# KiCad board paws-60-pcb.kicad_pcb
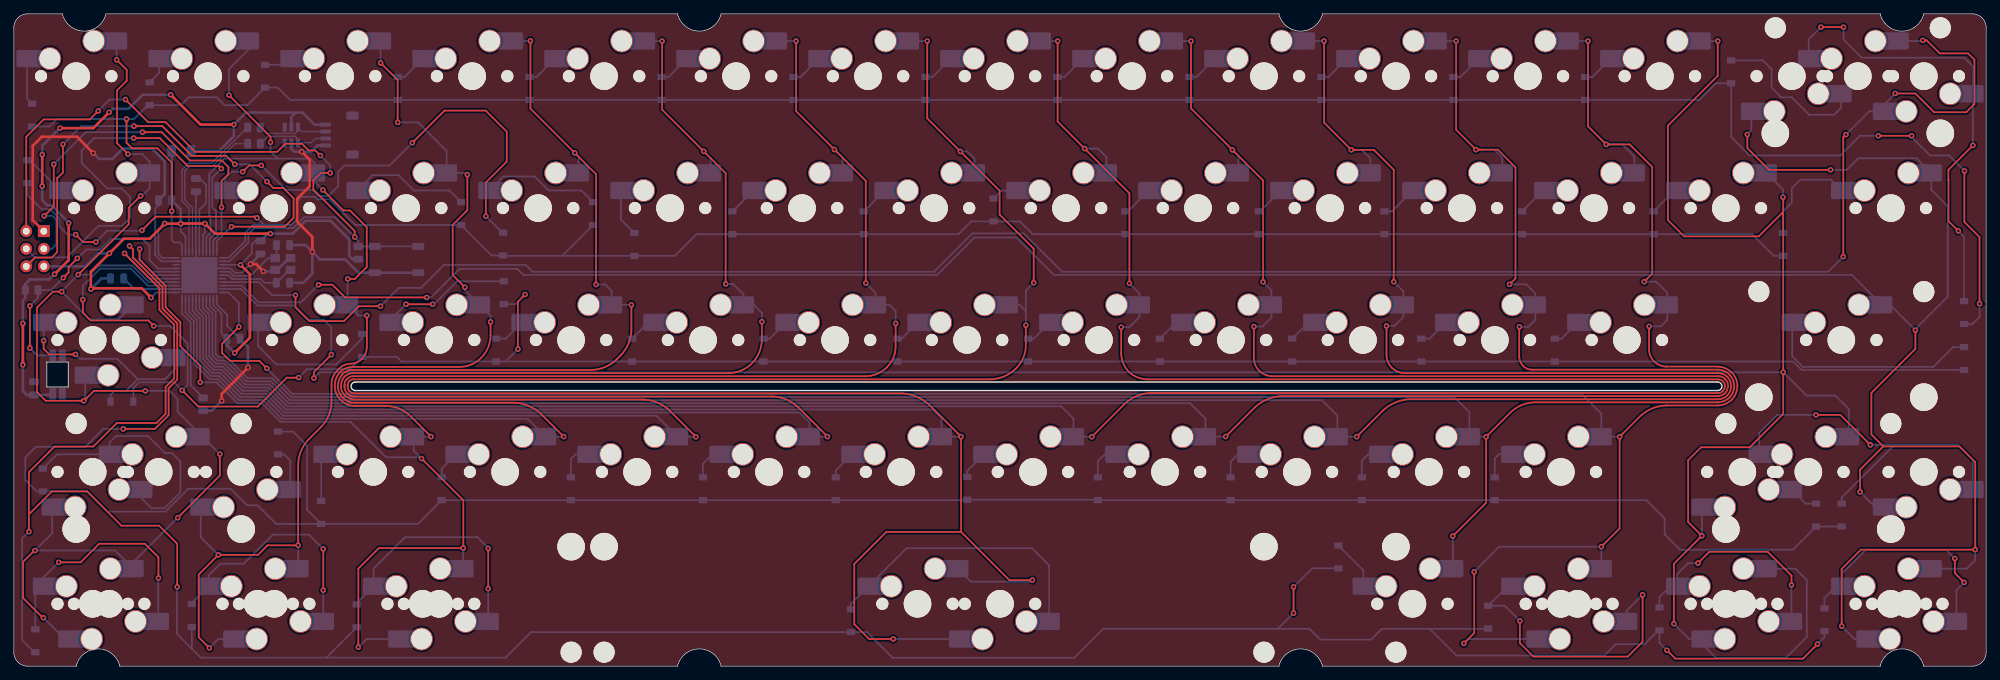
[diagram p0: board, top side]
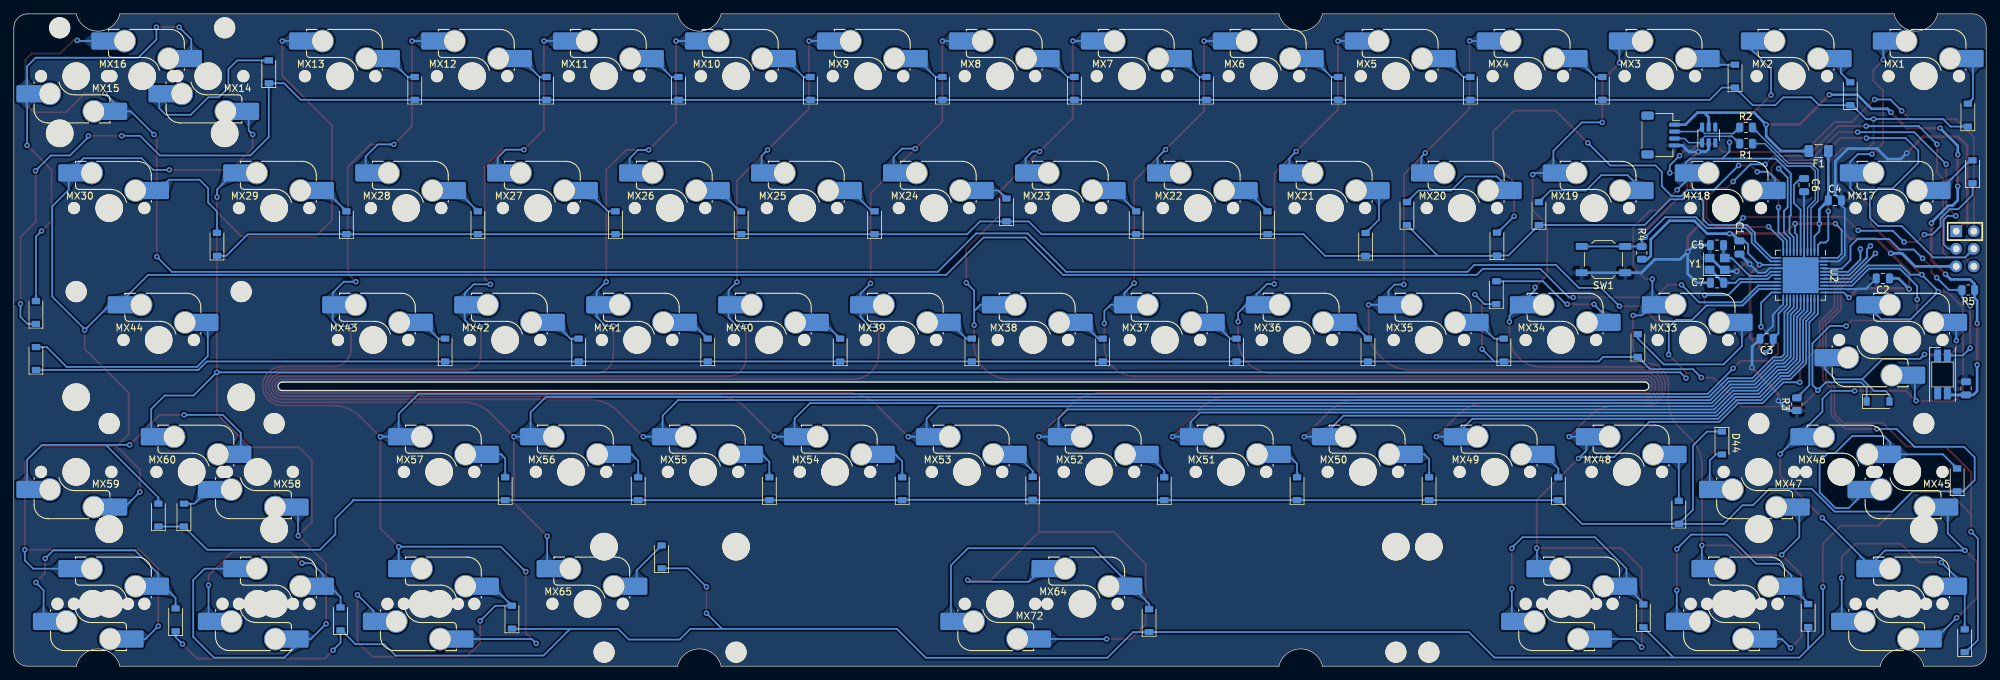
[diagram p1: board, bottom side, seen from below]

Outline 284.7 x 94.2 mm; copper layers: Top, Bottom. Coordinates in mm from the lower left corner of the outline.
Outline path: 0,92.2 arc(0.59,93.61) 2,94.2 7,94.2 arc(10.15,91.7) 13.3,94.2 95.8,94.2 arc(98.95,91.7) 102.1,94.2 182.6,94.2 arc(185.75,91.7) 188.9,94.2 269.4,94.2 arc(272.55,91.7) 275.7,94.2 282.7,94.2 arc(284.11,93.61) 284.7,92.2 284.7,2 arc(284.11,0.59) 282.7,0 275.7,0 arc(272.55,2.5) 269.4,0 188.9,0 arc(185.75,2.5) 182.6,0 102.1,0 arc(98.95,2.5) 95.8,0 15.3,0 arc(12.15,2.5) 9,0 2,0 arc(0.59,0.59) 0,2 0,92.2 ; 49.26,39.8 arc(48.68,40.42) 49.26,41.03 245.9,41.03 arc(246.56,40.44) 245.95,39.8 49.26,39.8

## Placement (name value [footprint] x y rotation side)
C1  0.1u  [C_0805_2012Metric]  35.61 60.46 270 bottom
C2  0.1u  [C_0805_2012Metric]  14.91 55.99 0 bottom
C3  0.1u  [C_0805_2012Metric]  31.7 47.27 0 bottom
C4  10u  [C_0805_2012Metric]  21.83 67.27 180 bottom
C5  22p  [C_0805_2012Metric]  38.86 60.8 180 bottom
C6  1u  [C_0805_2012Metric]  26.29 69.47 270 bottom
C7  22p  [C_0805_2012Metric]  38.84 55.37 180 bottom
C8  100n  [C_0805_2012Metric]  2.9 40.12 90 bottom
D1  1N4148  [D_SOD-123]  2.64 79.57 90 bottom
D2  1N4148  [D_SOD-123]  19.61 82.66 90 bottom
D3  1N4148  [D_SOD-123]  36.25 85.21 90 bottom
D4  1N4148  [D_SOD-123]  55.4 83.43 90 bottom
D5  1N4148  [D_SOD-123]  74.45 83.43 90 bottom
D6  1N4148  [D_SOD-123]  93.5 83.43 90 bottom
D7  1N4148  [D_SOD-123]  112.55 83.43 90 bottom
D8  1N4148  [D_SOD-123]  131.6 83.43 90 bottom
D9  1N4148  [D_SOD-123]  150.65 83.43 90 bottom
D10  1N4148  [D_SOD-123]  169.7 83.43 90 bottom
D11  1N4148  [D_SOD-123]  188.75 83.43 90 bottom
D12  1N4148  [D_SOD-123]  207.8 83.43 90 bottom
D13  1N4148  [D_SOD-123]  226.83 83.43 90 bottom
D14  1N4148  [D_SOD-123]  247.9 85.83 90 bottom
D15  1N4148  [D_SOD-123]  281.52 51.07 90 bottom
D16  1N4148  [D_SOD-123]  1.97 71.4 90 bottom
D17  1N4148  [D_SOD-123]  70.61 60.96 90 bottom
D18  1N4148  [D_SOD-123]  64.56 65.36 90 bottom
D19  1N4148  [D_SOD-123]  83.61 65.36 90 bottom
D20  1N4148  [D_SOD-123]  89.57 60.9 90 bottom
D21  1N4148  [D_SOD-123]  103.73 64.03 90 bottom
D22  1N4148  [D_SOD-123]  122.7 64.03 90 bottom
D23  1N4148  [D_SOD-123]  141.42 65.88 90 bottom
D24  1N4148  [D_SOD-123]  160.45 64.03 90 bottom
D25  1N4148  [D_SOD-123]  179.71 64.03 90 bottom
D26  1N4148  [D_SOD-123]  197.86 64.03 90 bottom
D27  1N4148  [D_SOD-123]  217.71 64.03 90 bottom
D28  1N4148  [D_SOD-123]  236.7 64.03 90 bottom
D29  1N4148  [D_SOD-123]  255.38 60.91 90 bottom
D30  1N4148  [D_SOD-123]  15.6 38.22 180 bottom
D31  1N4148  [D_SOD-123]  50.27 46.31 90 bottom
D32  1N4148  [D_SOD-123]  70.71 53.93 90 bottom
D33  1N4148  [D_SOD-123]  69.61 45.65 90 bottom
D34  1N4148  [D_SOD-123]  89.23 45.65 90 bottom
D35  1N4148  [D_SOD-123]  108.2 45.65 90 bottom
D36  1N4148  [D_SOD-123]  127.53 45.65 90 bottom
D37  1N4148  [D_SOD-123]  146.41 45.65 90 bottom
D38  1N4148  [D_SOD-123]  165.42 45.65 90 bottom
D39  1N4148  [D_SOD-123]  184.54 45.65 90 bottom
D40  1N4148  [D_SOD-123]  203.16 45.65 90 bottom
D41  1N4148  [D_SOD-123]  222.44 45.65 90 bottom
D42  1N4148  [D_SOD-123]  281.52 44.42 90 bottom
D43  1N4148  [D_SOD-123]  4.19 26.89 90 bottom
D44  1N4148  [D_SOD-123]  38.13 32.22 270 bottom
D45  1N4148  [D_SOD-123]  44.36 22.2 90 bottom
D46  1N4148  [D_SOD-123]  61.75 25.62 90 bottom
D47  1N4148  [D_SOD-123]  80.41 25.62 90 bottom
D48  1N4148  [D_SOD-123]  99.46 25.62 90 bottom
D49  1N4148  [D_SOD-123]  118.64 25.62 90 bottom
D50  1N4148  [D_SOD-123]  137.62 25.69 90 bottom
D51  1N4148  [D_SOD-123]  156.47 25.62 90 bottom
D52  1N4148  [D_SOD-123]  175.64 25.62 90 bottom
D53  1N4148  [D_SOD-123]  194.57 25.62 90 bottom
D54  1N4148  [D_SOD-123]  213.77 25.62 90 bottom
D55  1N4148  [D_SOD-123]  260.15 21.81 90 bottom
D56  1N4148  [D_SOD-123]  263.84 21.81 90 bottom
D57  1N4148  [D_SOD-123]  3.09 3.66 90 bottom
D58  1N4148  [D_SOD-123]  25.69 7.31 90 bottom
D59  1N4148  [D_SOD-123]  49.49 7.27 90 bottom
D60  1N4148  [D_SOD-123]  120.83 6.57 90 bottom
D61  1N4148  [D_SOD-123]  191.2 15.78 90 bottom
D62  1N4148  [D_SOD-123]  212.8 7.07 90 bottom
D63  1N4148  [D_SOD-123]  237.54 6.83 90 bottom
D64  1N4148  [D_SOD-123]  261.35 6.69 90 bottom
F1  500mA  [Fuse_1206_3216Metric]  24.18 74.39 0 bottom
J1  JST SH 4-pin  [JST_SH_SM04B-SRSS-TB_1x04-1MP_P1.00mm_Horizontal]  47 76.7 270 bottom
J2  AVR-ISP-6  [Reset_Pretty]  3.05 60.27 0 bottom
LED1  SK6812Mini-e  [YS-SK6812MINI-E]  6.3 42.12 270 bottom
MX1  1u  [SW_MX_HS_1u]  9 85.2 180 bottom
MX2  1u  [SW_MX_HS_1u]  28.05 85.2 180 bottom
MX3  1u  [SW_MX_HS_1u]  47.1 85.2 180 bottom
MX4  1u  [SW_MX_HS_1u]  66.15 85.2 180 bottom
MX5  1u  [SW_MX_HS_1u]  85.2 85.2 180 bottom
MX6  1u  [SW_MX_HS_1u]  104.25 85.2 180 bottom
MX7  1u  [SW_MX_HS_1u]  123.3 85.2 180 bottom
MX8  1u  [SW_MX_HS_1u]  142.35 85.2 180 bottom
MX9  1u  [SW_MX_HS_1u]  161.4 85.2 180 bottom
MX10  1u  [SW_MX_HS_1u]  180.45 85.2 180 bottom
MX11  1u  [SW_MX_HS_1u]  199.5 85.2 180 bottom
MX12  1u  [SW_MX_HS_1u]  218.55 85.2 180 bottom
MX13  1u  [SW_MX_HS_1u]  237.6 85.2 180 bottom
MX14  1u  [SW_MX_HS_1u]  256.65 85.2 0 bottom
MX15  1u  [SW_MX_HS_1u]  275.7 85.2 0 bottom
MX16  2u  [SW_MX_HS_1u]  266.18 85.2 180 bottom
MX17  1.5u  [SW_MX_HS_1.5u]  13.76 66.15 180 bottom
MX18  1u  [SW_MX_HS_1u]  37.58 66.15 180 bottom
MX19  1u  [SW_MX_HS_1u]  56.62 66.15 180 bottom
MX20  1u  [SW_MX_HS_1u]  75.67 66.15 180 bottom
MX21  1u  [SW_MX_HS_1u]  94.72 66.15 180 bottom
MX22  1u  [SW_MX_HS_1u]  113.78 66.15 180 bottom
MX23  1u  [SW_MX_HS_1u]  132.82 66.15 180 bottom
MX24  1u  [SW_MX_HS_1u]  151.88 66.15 180 bottom
MX25  1u  [SW_MX_HS_1u]  170.93 66.15 180 bottom
MX26  1u  [SW_MX_HS_1u]  189.97 66.15 180 bottom
MX27  1u  [SW_MX_HS_1u]  209.03 66.15 180 bottom
MX28  1u  [SW_MX_HS_1u]  228.07 66.15 180 bottom
MX29  1u  [SW_MX_HS_1u]  247.12 66.15 180 bottom
MX30  1.5u  [SW_MX_HS_1.5u]  270.94 66.15 180 bottom
MX31  1.25u  [SW_MX_HS_1.25u]  11.38 47.1 180 bottom
MX32  1.75u  [SW_MX_HS_1.75u]  16.14 47.1 0 bottom
MX33  1u  [SW_MX_HS_1u]  42.34 47.1 180 bottom
MX34  1u  [SW_MX_HS_1u]  61.39 47.1 180 bottom
MX35  1u  [SW_MX_HS_1u]  80.44 47.1 180 bottom
MX36  1u  [SW_MX_HS_1u]  99.49 47.1 180 bottom
MX37  1u  [SW_MX_HS_1u]  118.54 47.1 180 bottom
MX38  1u  [SW_MX_HS_1u]  137.59 47.1 180 bottom
MX39  1u  [SW_MX_HS_1u]  156.64 47.1 180 bottom
MX40  1u  [SW_MX_HS_1u]  175.69 47.1 180 bottom
MX41  1u  [SW_MX_HS_1u]  194.74 47.1 180 bottom
MX42  1u  [SW_MX_HS_1u]  213.79 47.1 180 bottom
MX43  1u  [SW_MX_HS_1u]  232.84 47.1 180 bottom
MX44  2.25u  [SW_MX_HS_1u]  263.79 47.1 180 bottom
MX45  1.25u  [SW_MX_HS_1.25u]  11.38 28.05 0 bottom
MX46  2.25u  [SW_MX_HS_1u]  20.91 28.05 180 bottom
MX47  1u  [SW_MX_HS_1u]  32.81 28.05 0 bottom
MX48  1u  [SW_MX_HS_1u]  51.86 28.05 180 bottom
MX49  1u  [SW_MX_HS_1u]  70.91 28.05 180 bottom
MX50  1u  [SW_MX_HS_1u]  89.96 28.05 180 bottom
MX51  1u  [SW_MX_HS_1u]  109.01 28.05 180 bottom
MX52  1u  [SW_MX_HS_1u]  128.06 28.05 180 bottom
MX53  1u  [SW_MX_HS_1u]  147.11 28.05 180 bottom
MX54  1u  [SW_MX_HS_1u]  166.16 28.05 180 bottom
MX55  1u  [SW_MX_HS_1u]  185.21 28.05 180 bottom
MX56  1u  [SW_MX_HS_1u]  204.26 28.05 180 bottom
MX57  1u  [SW_MX_HS_1u]  223.31 28.05 180 bottom
MX58  1.75u  [SW_MX_HS_1.75u]  249.51 28.05 0 bottom
MX59  1u  [SW_MX_HS_1u]  275.7 28.05 0 bottom
MX60  2.75u  [SW_MX_HS_1u]  259.03 28.05 180 bottom
MX61  1.25u  [SW_MX_HS_1.25u]  11.38 9 180 bottom
MX62  1.25u  [SW_MX_HS_1.25u]  35.19 9 180 bottom
MX63  1.25u  [SW_MX_HS_1.25u]  59.01 9 180 bottom
MX64  6.25u  [SW_MX_HS_1u]  130.44 9 180 bottom
MX65  1.25u  [SW_MX_HS_1.25u]  201.88 9 180 bottom
MX66  1.25u  [SW_MX_HS_1.25u]  225.69 9 0 bottom
MX67  1.25u  [SW_MX_HS_1.25u]  249.51 9 0 bottom
MX68  1.25u  [SW_MX_HS_1.25u]  273.32 9 0 bottom
MX69  1.5u  [SW_MX_HS_1.5u]  13.76 9 0 bottom
MX70  1u  [SW_MX_HS_1u]  37.58 9 0 bottom
MX71  1.5u  [SW_MX_HS_1.5u]  61.39 9 0 bottom
MX72  7u  [SW_MX_HS_1u]  142.35 9 0 bottom
MX73  1.5u  [SW_MX_HS_1.5u]  223.31 9 180 bottom
MX74  1u  [SW_MX_HS_1u]  247.12 9 180 bottom
MX75  1.5u  [SW_MX_HS_1.5u]  270.94 9 180 bottom
R1  22  [R_0805_2012Metric]  34.66 75.45 0 bottom
R2  22  [R_0805_2012Metric]  34.66 77.79 0 bottom
R3  10k  [R_0805_2012Metric]  27.32 37.83 90 bottom
R4  10k  [R_0805_2012Metric]  49.71 59.68 270 bottom
R5  10k  [R_0805_2012Metric]  2.57 54.32 0 bottom
S1  2u  [STAB_MX_2u]  266.18 85.2 0 top
S2  2.25u  [STAB_MX_2.25u]  263.79 47.1 0 top
S3  2.25u  [STAB_MX_2.25u]  20.91 28.05 0 top
S4  2.75u  [STAB_MX_2.75u]  259.03 28.05 0 top
S5  6.25u  [STAB_MX_6.25u]  130.44 9 0 bottom
S6  7u  [STAB_MX_7u]  142.35 9 0 bottom
SW1  Reset  [SW_SPST_TL3342]  55.24 58.72 0 bottom
U1  SRV05-4  [SOT-23-6]  40.05 76.71 90 bottom
U2  ATmega32U4-MU  [QFN-44-1EP_7x7mm_P0.5mm_EP5.2x5.2mm]  26.78 56.46 270 bottom
Y1  16MHz  [Crystal_SMD_3225-4Pin_3.2x2.5mm]  38.83 58.08 180 bottom

## Library data of the parts
C1-C3 = -: LCSC Part #: C49678
C4 = -: LCSC Part #: C15850
C5 C7 C8 = -: LCSC Part #: C1804
C6 = -: LCSC Part #: C28323
D1-D64 = -: LCSC Part #: C81598
F1 = -: LCSC Part #: C70076
J1 = -: LCSC Part #: C160404
J2 = -: Field4: SCK; Field5: RST; Field6: VCC; Field7: MOSI; Field8: MISO; Field9: GND
R1 R2 = -: LCSC Part #: C17561
R3-R5 = -: LCSC Part #: C17414
S1-S6 = -: Description: Cherry MX-style stabilizer
SW1 = -: LCSC Part #: C318884
U1 = -: LCSC Part #: C85364
U2 = -: Description: 16MHz, 32kB Flash, 2.5kB SRAM, 1kB EEPROM, USB 2.0, QFN-44; LCSC Part #: C44854
Y1 = -: LCSC Part #: C13738

## Footprints (pads in the part's own frame, mm; a bottom-side part is the same pattern mirrored in y, then rotated)
C_0805_2012Metric
  rrect 1x1.45 smd: 1(-0.95,0) 2(0.95,0)
Crystal_SMD_3225-4Pin_3.2x2.5mm
  rect 1.4x1.2 smd: 1(-1.1,-0.85) 2(1.1,-0.85) 3(1.1,0.85) 4(-1.1,0.85)
D_SOD-123
  rect 0.9x1.2 smd: 1(-1.65,0) 2(1.65,0)
Fuse_1206_3216Metric
  rrect 1.25x1.75 smd: 1(-1.4,0) 2(1.4,0)
JST_SH_SM04B-SRSS-TB_1x04-1MP_P1.00mm_Horizontal
  rrect 0.6x1.55 smd: 1(-1.5,2) 2(-0.5,2) 3(0.5,2) 4(1.5,2)
  rrect 1.2x1.8 smd: MP(-2.8,-1.875) MP(2.8,-1.875)
QFN-44-1EP_7x7mm_P0.5mm_EP5.2x5.2mm
  rrect 1.05x1.05 smd: (-1.95,-1.95) (-1.95,-0.65) (-1.95,0.65) (-1.95,1.95) (-0.65,-1.95) (-0.65,-0.65) (-0.65,0.65) (-0.65,1.95) (0.65,-1.95) (0.65,-0.65) (0.65,0.65) (0.65,1.95) (1.95,-1.95) (1.95,-0.65) (1.95,0.65) (1.95,1.95)
  rrect 1.075x0.25 smd: 1(-3.337,2.5) 2(-3.337,2) 3(-3.337,1.5) 4(-3.337,1) 5(-3.337,0.5) 6(-3.337,0) 7(-3.337,-0.5) 8(-3.337,-1) 9(-3.337,-1.5) 10(-3.337,-2) 11(-3.337,-2.5) 23(3.337,-2.5) 24(3.337,-2) 25(3.337,-1.5) 26(3.337,-1) 27(3.337,-0.5) 28(3.337,0) 29(3.337,0.5) 30(3.337,1) 31(3.337,1.5) 32(3.337,2) 33(3.337,2.5)
  rrect 0.25x1.075 smd: 12(-2.5,-3.337) 13(-2,-3.337) 14(-1.5,-3.337) 15(-1,-3.337) 16(-0.5,-3.337) 17(0,-3.337) 18(0.5,-3.337) 19(1,-3.337) 20(1.5,-3.337) 21(2,-3.337) 22(2.5,-3.337) 34(2.5,3.337) 35(2,3.337) 36(1.5,3.337) 37(1,3.337) 38(0.5,3.337) 39(0,3.337) 40(-0.5,3.337) 41(-1,3.337) 42(-1.5,3.337) 43(-2,3.337) 44(-2.5,3.337)
  rect 5.2x5.2 smd: 45(0,0)
R_0805_2012Metric
  rrect 1.025x1.4 smd: 1(-0.912,0) 2(0.912,0)
Reset_Pretty
  round 1.7 hole 1: 1(-1.27,2.54) 2(1.27,2.54) 3(-1.27,0) 4(1.27,0) 5(-1.27,-2.54)
  rect 1.7x1.7 hole 1: 6(1.27,-2.54)
SOT-23-6
  rrect 1.325x0.6 smd: 1(-1.137,0.95) 2(-1.137,0) 3(-1.137,-0.95) 4(1.137,-0.95) 5(1.137,0) 6(1.137,0.95)
STAB_MX_2.25u
  round 3.048 hole 3.048 unplated: (-11.906,6.985) (11.906,6.985)
  round 3.988 hole 3.988 unplated: (-11.906,-8.255) (11.906,-8.255)
STAB_MX_2.75u
  round 3.048 hole 3.048 unplated: (-11.906,6.985) (11.906,6.985)
  round 3.988 hole 3.988 unplated: (-11.906,-8.255) (11.906,-8.255)
STAB_MX_2u
  round 3.048 hole 3.048 unplated: (-11.906,6.985) (11.906,6.985)
  round 3.988 hole 3.988 unplated: (-11.906,-8.255) (11.906,-8.255)
STAB_MX_6.25u
  round 3.988 hole 3.988 unplated: (-50.006,-8.255) (50.006,-8.255)
  round 3.048 hole 3.048 unplated: (-50.006,6.985) (50.006,6.985)
STAB_MX_7u
  round 3.988 hole 3.988 unplated: (-57.15,-8.255) (57.15,-8.255)
  round 3.048 hole 3.048 unplated: (-57.15,6.985) (57.15,6.985)
SW_MX_HS_1.5u
  round 1.75 hole 1.75 unplated: (-5.08,0) (5.08,0)
  round 3.988 hole 3.988 unplated: (0,0)
  round 3.3 hole 3: 1(3.81,2.54) 2(-2.54,5.08)
  rect 1.65x2.5 smd: 1(5.635,2.54) 2(-4.34,5.08)
  rrect 2.55x2.5 smd: 1(7.36,2.54) 2(-6.09,5.08)
SW_MX_HS_1.25u
  round 1.75 hole 1.75 unplated: (-5.08,0) (5.08,0)
  round 3.988 hole 3.988 unplated: (0,0)
  round 3.3 hole 3: 1(3.81,2.54) 2(-2.54,5.08)
  rect 1.65x2.5 smd: 1(5.635,2.54) 2(-4.34,5.08)
  rrect 2.55x2.5 smd: 1(7.36,2.54) 2(-6.09,5.08)
SW_MX_HS_1.75u
  round 1.75 hole 1.75 unplated: (-5.08,0) (5.08,0)
  round 3.988 hole 3.988 unplated: (0,0)
  round 3.3 hole 3: 1(3.81,2.54) 2(-2.54,5.08)
  rect 1.65x2.5 smd: 1(5.635,2.54) 2(-4.34,5.08)
  rrect 2.55x2.5 smd: 1(7.36,2.54) 2(-6.09,5.08)
SW_MX_HS_1u
  round 1.75 hole 1.75 unplated: (-5.08,0) (5.08,0)
  round 3.988 hole 3.988 unplated: (0,0)
  round 3.3 hole 3: 1(3.81,2.54) 2(-2.54,5.08)
  rect 1.65x2.5 smd: 1(5.635,2.54) 2(-4.34,5.08)
  rrect 2.55x2.5 smd: 1(7.36,2.54) 2(-6.09,5.08)
SW_SPST_TL3342
  rect 1.7x1 smd: 1(-3.15,1.9) 1(3.15,1.9) 2(-3.15,-1.9) 2(3.15,-1.9)
YS-SK6812MINI-E
  rect 1.7x1 smd: 1(2.75,0.7) 2(2.75,-0.7) 3(-2.75,-0.7) 4(-2.75,0.7)

## Nets
+5V: C1.1 C2.1 C3.1 C4.1 F1.1 J2.2 R4.2 U2.2 U2.7 U2.14 U2.24 U2.34 U2.44
GND: C1.2 C2.2 C3.2 C4.2 C5.1 C6.2 C7.1 C8.2 J1.4 J2.6 LED1.3 R3.1 SW1.1 U1.2 U2.5 U2.15 U2.23 U2.35 U2.43 U2.45 Y1.2 Y1.4
VBUS: C8.1 F1.2 J1.1 LED1.1 R5.1 U1.5
/MCU_D+: R1.1 U2.4
/MCU_D-: R2.1 U2.3
COL0: MX1.2 MX17.2 MX31.2 MX32.2 MX45.2 MX46.2 MX61.2 MX69.2 U2.37
COL1: MX2.2 MX18.2 MX33.2 MX47.2 MX62.2 MX70.2 U2.8
COL2: MX3.2 MX19.2 MX34.2 MX48.2 MX63.2 MX71.2 U2.40
COL3: MX4.2 MX20.2 MX35.2 MX49.2 U2.32
COL4: MX5.2 MX21.2 MX36.2 MX50.2 U2.31
COL5: MX6.2 MX22.2 MX37.2 MX51.2 U2.30
COL6: MX7.2 MX23.2 MX38.2 MX52.2 MX64.2 MX72.2 U2.29
COL7: MX8.2 MX24.2 MX39.2 MX53.2 U2.28
COL8: MX9.2 MX25.2 MX40.2 MX54.2 U2.27
COL9: MX10.2 MX26.2 MX41.2 MX55.2 U2.26
COL10: MX11.2 MX27.2 MX42.2 MX56.2 MX65.2 U2.25
COL11: MX12.2 MX28.2 MX43.2 MX57.2 MX66.2 MX73.2 U2.22
COL12: MX13.2 MX29.2 MX58.2 MX60.2 MX67.2 MX74.2 U2.21
COL13: MX14.2 MX30.2 MX44.2 MX59.2 MX68.2 MX75.2 U2.20
COL14: MX15.2 MX16.2 U2.19
D+: J1.3 R1.2 U1.1
D-: J1.2 R2.2 U1.6
MISO: J2.1 U2.11
MOSI: J2.4 U2.10
ROW0: D1.1 D2.1 D3.1 D4.1 D5.1 D6.1 D7.1 D8.1 D9.1 D10.1 D11.1 D12.1 D13.1 D14.1 D15.1 U2.1
ROW1: D16.1 D17.1 D18.1 D19.1 D20.1 D21.1 D22.1 D23.1 D24.1 D25.1 D26.1 D27.1 D28.1 D29.1 U2.12
ROW2: D30.1 D31.1 D32.1 D33.1 D34.1 D35.1 D36.1 D37.1 D38.1 D39.1 D40.1 D41.1 D42.1 U2.36
ROW3: D43.1 D44.1 D45.1 D46.1 D47.1 D48.1 D49.1 D50.1 D51.1 D52.1 D53.1 D54.1 D55.1 D56.1 U2.39
ROW4: D57.1 D58.1 D59.1 D60.1 D61.1 D62.1 D63.1 D64.1 U2.38
RST: J2.5 R4.1 SW1.2 U2.13
SCK: J2.3 U2.9
SK6812: LED1.4 R5.2 U2.41
XTAL1: C7.2 U2.17 Y1.1
XTAL2: C5.2 U2.16 Y1.3
Net-(D1-A): D1.2 MX1.1
Net-(D2-A): D2.2 MX2.1
Net-(D3-A): D3.2 MX3.1
Net-(D4-A): D4.2 MX4.1
Net-(D5-A): D5.2 MX5.1
Net-(D6-A): D6.2 MX6.1
Net-(D7-A): D7.2 MX7.1
Net-(D8-A): D8.2 MX8.1
Net-(D9-A): D9.2 MX9.1
Net-(D10-A): D10.2 MX10.1
Net-(D11-A): D11.2 MX11.1
Net-(D12-A): D12.2 MX12.1
Net-(D13-A): D13.2 MX13.1
Net-(D14-A): D14.2 MX14.1
Net-(D15-A): D15.2 MX15.1 MX16.1
Net-(D16-A): D16.2 MX17.1
Net-(D17-A): D17.2 MX18.1
Net-(D18-A): D18.2 MX19.1
Net-(D19-A): D19.2 MX20.1
Net-(D20-A): D20.2 MX21.1
Net-(D21-A): D21.2 MX22.1
Net-(D22-A): D22.2 MX23.1
Net-(D23-A): D23.2 MX24.1
Net-(D24-A): D24.2 MX25.1
Net-(D25-A): D25.2 MX26.1
Net-(D26-A): D26.2 MX27.1
Net-(D27-A): D27.2 MX28.1
Net-(D28-A): D28.2 MX29.1
Net-(D29-A): D29.2 MX30.1
Net-(D30-A): D30.2 MX31.1 MX32.1
Net-(D31-A): D31.2 MX33.1
Net-(D32-A): D32.2 MX34.1
Net-(D33-A): D33.2 MX35.1
Net-(D34-A): D34.2 MX36.1
Net-(D35-A): D35.2 MX37.1
Net-(D36-A): D36.2 MX38.1
Net-(D37-A): D37.2 MX39.1
Net-(D38-A): D38.2 MX40.1
Net-(D39-A): D39.2 MX41.1
Net-(D40-A): D40.2 MX42.1
Net-(D41-A): D41.2 MX43.1
Net-(D42-A): D42.2 MX44.1
Net-(D43-A): D43.2 MX45.1 MX46.1
Net-(D44-A): D44.2 MX47.1
Net-(D45-A): D45.2 MX48.1
Net-(D46-A): D46.2 MX49.1
Net-(D47-A): D47.2 MX50.1
Net-(D48-A): D48.2 MX51.1
Net-(D49-A): D49.2 MX52.1
Net-(D50-A): D50.2 MX53.1
Net-(D51-A): D51.2 MX54.1
Net-(D52-A): D52.2 MX55.1
Net-(D53-A): D53.2 MX56.1
Net-(D54-A): D54.2 MX57.1
Net-(D55-A): D55.2 MX58.1
Net-(D56-A): D56.2 MX59.1 MX60.1
Net-(D57-A): D57.2 MX61.1 MX69.1
Net-(D58-A): D58.2 MX62.1 MX70.1
Net-(D59-A): D59.2 MX63.1 MX71.1
Net-(D60-A): D60.2 MX64.1 MX72.1
Net-(D61-A): D61.2 MX65.1
Net-(D62-A): D62.2 MX66.1 MX73.1
Net-(D63-A): D63.2 MX67.1 MX74.1
Net-(D64-A): D64.2 MX68.1 MX75.1
Net-(U2-UCAP): C6.1 U2.6
Net-(U2-~{HWB}/PE2): R3.2 U2.33

Pads without a net: J1 MP; LED1 2; U1 3 4; U2 18 42

## Via types
v1: diameter 0.8, hole 0.4, Top to Bottom, 201 vias

## Routing (per net, layer and track width the routed paths; a pad name or vN(x,y) marks a point on that pad's centre or on a via; arc(x,y) is an arc through that point)
+5V: length 136.2
  Top w0.381: v1(19.8,53.22) 18.46,54.56 11.22,54.56 v1(11.11,54.45) 11.11,56.94 v1(13.79,59.62) 15.91,61.74 19.63,61.74 21.79,63.89 v1(24.08,63.89) 24.11,63.92 v1(27.58,63.92) 29.04,62.46 v1(37.04,62.46) ; v1(31.87,45.23) 34.08,47.44 34.08,56.6 v1(32.71,57.96)
  Bottom w0.25: 27.58,63.91 27.58,62.57 27.28,62.27 U2.7 ; U2.24 28.78,52.11 29.98,50.91 29.98,48.05 30.76,47.27 ; v1(21.76,63.93) 20.86,63.02 20.86,59.53 21.43,58.96 U2.44 ; v1(19.8,53.22) 20.54,53.96 U2.34 ; 35.61,61.39 34.86,61.39 34.36,60.9 34.36,59.61 v1(32.71,57.96) 32.71,57.96 U2.14 ; v1(24.08,63.89) 24.08,62.78 24.78,62.08 U2.2
  Bottom w0.381: J2.2 10.25,57.73 12.13,59.62 v1(13.79,59.62) ; 49.71,58.74 48.91,58.74 48.41,59.24 48.41,61.63 45.72,64.32 42.12,64.32 40.26,62.46 v1(37.04,62.46) 36.67,62.46 35.61,61.39 ; F1.1 22.78,70.04 22.77,70.04 22.77,67.27 24.08,65.96 v1(24.08,63.89) ; 13.97,55.99 12.65,55.99 v1(11.11,54.45) ; v1(31.87,45.23) 30.76,46.34 30.76,47.27 ; 27.58,63.91 v1(27.58,63.92)
GND: length 170
  Top w0.381: v1(36.02,57.01) 34.97,58.06 v1(34.15,58.06) ; v1(41.55,74.3) 42.7,73.14 42.7,69.31 40.89,67.49 40.89,64.19 43.09,61.99 v1(43.09,59.83) ; J2.6 2.72,64.42 2.72,75.14 4.04,76.46 9.11,76.46 v1(11.48,74.09) ; v1(30,38.32) 30,39.31 v1(33.81,43.12)
  Bottom w0.25: 30.78,50.75 29.28,52.25 U2.23 ; 20.9,66.57 20.41,66.09 20.41,59.34 21.29,58.46 U2.43 24.78,58.46 U2.45 ; 30.78,50.76 30.78,49.12 32.63,47.27 ; 15.85,55.99 17.38,54.46 U2.35 24.78,54.46 U2.45 ; U2.45 27.78,57.46 U2.15 31.25,57.46 31.9,56.81 32.9,56.81 v1(34.15,58.06) ; 26.28,56.96 U2.5 26.28,67.15 26.29,67.15 26.29,68.53
  Bottom w0.381: 39.8,60.8 42.14,60.8 43.09,59.86 43.09,56.68 41.78,55.37 39.78,55.37 ; v1(36.02,57.01) 37.51,57.01 ; 32.63,47.27 33.79,46.11 33.79,43.13 v1(33.81,43.12) ; 40.05,75.61 40.05,74.69 40.45,74.3 v1(41.55,74.3) 41.59,74.25 42.88,74.25 43.83,75.2 J1.4 ; 39.73,58.93 38.03,57.23 Y1.2 ; 27.32,36.9 28.58,36.9 v1(30,38.32) ; v1(11.48,74.09) 12.32,73.24 14.23,73.24 15.73,74.73 19.95,74.73 21.77,72.92 21.77,68.14 20.9,67.27 20.9,66.57 ; v1(43.09,59.83) 44.18,58.74 47.83,58.74 47.83,58.74 49.76,56.82 SW1.1 SW1.1 ; v1(34.15,58.06) 35.61,59.52
VBUS: length 104.8
  Top w0.381: v1(13.75,79.98) 11.46,77.69 v1(6.64,77.69) ; v1(7.91,63.97) 7.91,58.64 v1(5.87,56.61) ; v1(1.3,49.5) v1(1.3,43.52) 1.3,43.65 ; v1(31.76,78.22) 26.94,78.22 v1(22.64,82.52) ; v1(4.1,69.31) v1(4.1,73.88)
  Bottom w0.381: LED1.1 5.4,39.17 C8.1 1.85,39.17 1.3,39.72 v1(1.3,43.52) ; F1.2 29.61,74.39 31.76,76.54 31.76,78.21 v1(31.76,78.22) 33.49,79.94 40.7,79.94 ; 40.7,79.94 41.67,79.94 43.42,78.2 J1.1 ; 40.7,79.94 40.05,79.29 40.05,77.81 ; v1(4.1,73.88) 4.1,75.15 v1(6.64,77.69) ; v1(4.1,69.31) 4.1,67.28 4.87,66.5 5.47,66.5 7.91,64.07 v1(7.91,63.97) ; v1(13.75,79.98) 14.26,80.48 16.54,80.48 18.57,82.52 v1(22.64,82.52) ; v1(5.87,56.61) 5.11,55.85 2.32,55.85 1.66,55.19 R5.1 1.66,53.16 1.3,52.8 v1(1.3,49.5)
/MCU_D+: length 22.9
  Bottom w0.2: U2.4 25.78,66.22 24.67,67.33 24.67,71.5 25.4,72.23 28.71,72.23 31.93,75.45 33.72,75.45
/MCU_D-: length 24.3
  Bottom w0.2: U2.3 25.28,66.16 24.27,67.17 24.27,71.67 25.23,72.63 28.54,72.63 31.96,76.04 31.97,76.04 33.72,77.79
COL0: length 188.5
  Top w0.25: v1(29.73,30.63) 29.73,27.52 v1(23.65,21.44) ; v1(14.84,87.56) 16.29,86.11 16.29,84.54 14.88,83.13 14.88,77.67 14.88,77.67 14.88,75.53 v1(16.47,73.94) ; v1(3.06,16.71) 2.97,16.71 1.33,15.07 1.33,9.84 4.19,6.99 v1(4.27,6.99) ; v1(9.29,56.54) 16.58,63.82 16.58,66.19 v1(18.29,67.91) ; v1(6.9,54.08) 5.63,54.08 3.33,51.78 3.33,39.59 4.6,38.32 v1(10.1,38.32) 10.12,38.32 11.56,39.75 v1(18.99,39.75)
  Bottom w0.25: 17.22,52.18 15.14,50.09 10.89,50.09 v1(6.9,54.08) 6.88,54.11 6.88,54.16 6.91,54.16 v1(9.29,56.54) 10.95,56.54 12.27,57.86 17.08,57.86 19.48,55.46 U2.37 ; 7.34,3.92 v1(4.27,6.99) ; v1(18.29,67.91) 18.5,67.91 19.6,69.02 19.6,72.86 18.52,73.94 v1(16.47,73.94) ; v1(29.73,30.63) 27.24,33.13 26.75,33.13 26.75,33.65 23.63,36.77 23.63,38.6 22.48,39.75 v1(18.99,39.75) ; v1(10.1,38.32) 10.3,38.52 10.3,42.02 ; 5.54,22.97 5.54,19.19 v1(3.06,16.71) 14.6,16.71 17.22,14.08 17.22,15.01 v1(23.65,21.44) ; 7.92,3.92 7.33,3.92 ; 14.84,90.28 14.84,87.68
COL1: length 158.6
  Top w0.25: v1(48.19,55.91) 49.21,55.91 50.94,57.64 50.94,63.38 48.52,65.81 47.57,65.81 v1(44.61,68.77) ; v1(28.22,2.63) 26.68,4.17 26.68,13.24 v1(29.52,16.07) 35.25,16.07 36.62,17.45 v1(41.04,17.45) 41.04,20.94 41.04,20.94 41.04,28.98 arc(41.45,31.06) 42.63,32.83 44.26,34.46 arc(45.46,36.23) 45.86,38.31 45.86,40.57 arc(46.09,41.84) 46.77,42.76 47.01,43 arc(47.77,43.52) 48.62,43.67 arc(49.48,43.85) 50.23,44.34 ; v1(31.05,82.46) 37.05,76.46 v1(37.05,75.64) ; v1(50.95,50.64) 50.95,46.04 arc(50.72,45.07) 50.26,44.37
  Bottom w0.25: U2.8 27.78,61.95 28.38,62.55 28.38,64.95 28.2,65.14 28.2,70.72 28.21,70.73 28.21,71.13 30.38,73.3 38.08,73.3 ; v1(37.05,75.64) 37.05,74.33 38.08,73.3 ; v1(29.52,16.07) 26.97,18.62 26.97,22.97 ; 38.08,73.3 42.75,73.3 43.42,72.63 43.42,69.96 v1(44.61,68.77) ; 41.04,14.08 41.04,17.45 v1(41.04,17.45) ; v1(28.22,2.63) 29.51,3.92 31.73,3.92 ; 33.89,90.28 33.89,89.08 31.05,86.23 v1(31.05,82.46) ; v1(50.95,50.64) 49.72,50.64 48.18,52.18 48.18,55.91 v1(48.19,55.91)
COL2: length 223.2
  Top w0.25: v1(26.91,40.98) 26.91,43.35 24.03,46.22 24.03,49.69 21.9,51.82 21.9,54.95 18.15,58.7 v1(18.15,60.25) ; v1(68.81,49.73) 68.81,47.78 arc(68.48,46.06) 67.48,44.55 arc(66.01,43.55) 64.26,43.22 48.95,43.22 arc(47.93,43.01) 47.09,42.45 arc(46.51,41.53) 46.32,40.6 ; v1(65.11,54.71) 63.35,56.48 63.35,63.72 65.46,65.83 v1(65.46,70.99) ; v1(55.4,78.52) 55.4,84.65 v1(52.93,87.13) ; v1(58.84,29.99) 64.88,23.95 v1(64.88,17.05) 52.67,17.05 49.72,14.09 v1(49.72,2.73) ; v1(60.22,33.15) 57.36,36.01 arc(55.58,37.2) 53.51,37.6 49.22,37.6 arc(48.1,37.8) 47.17,38.45 ; 46.32,40.49 arc(46.52,39.41) 47.17,38.46